# Altium PCB 10515.0501_主板(8拼版)_V1.0-20200907.PcbDoc (part 4 of 6)
Units mm, origin at the board's own origin, x right, y up, seen from the top; angles counter-clockwise.
Board outline 229.4 x 126.82 mm, 2 copper layers (Top Layer, Bottom Layer); 560 components, 0 nets, 2350 pads, 1248 vias.
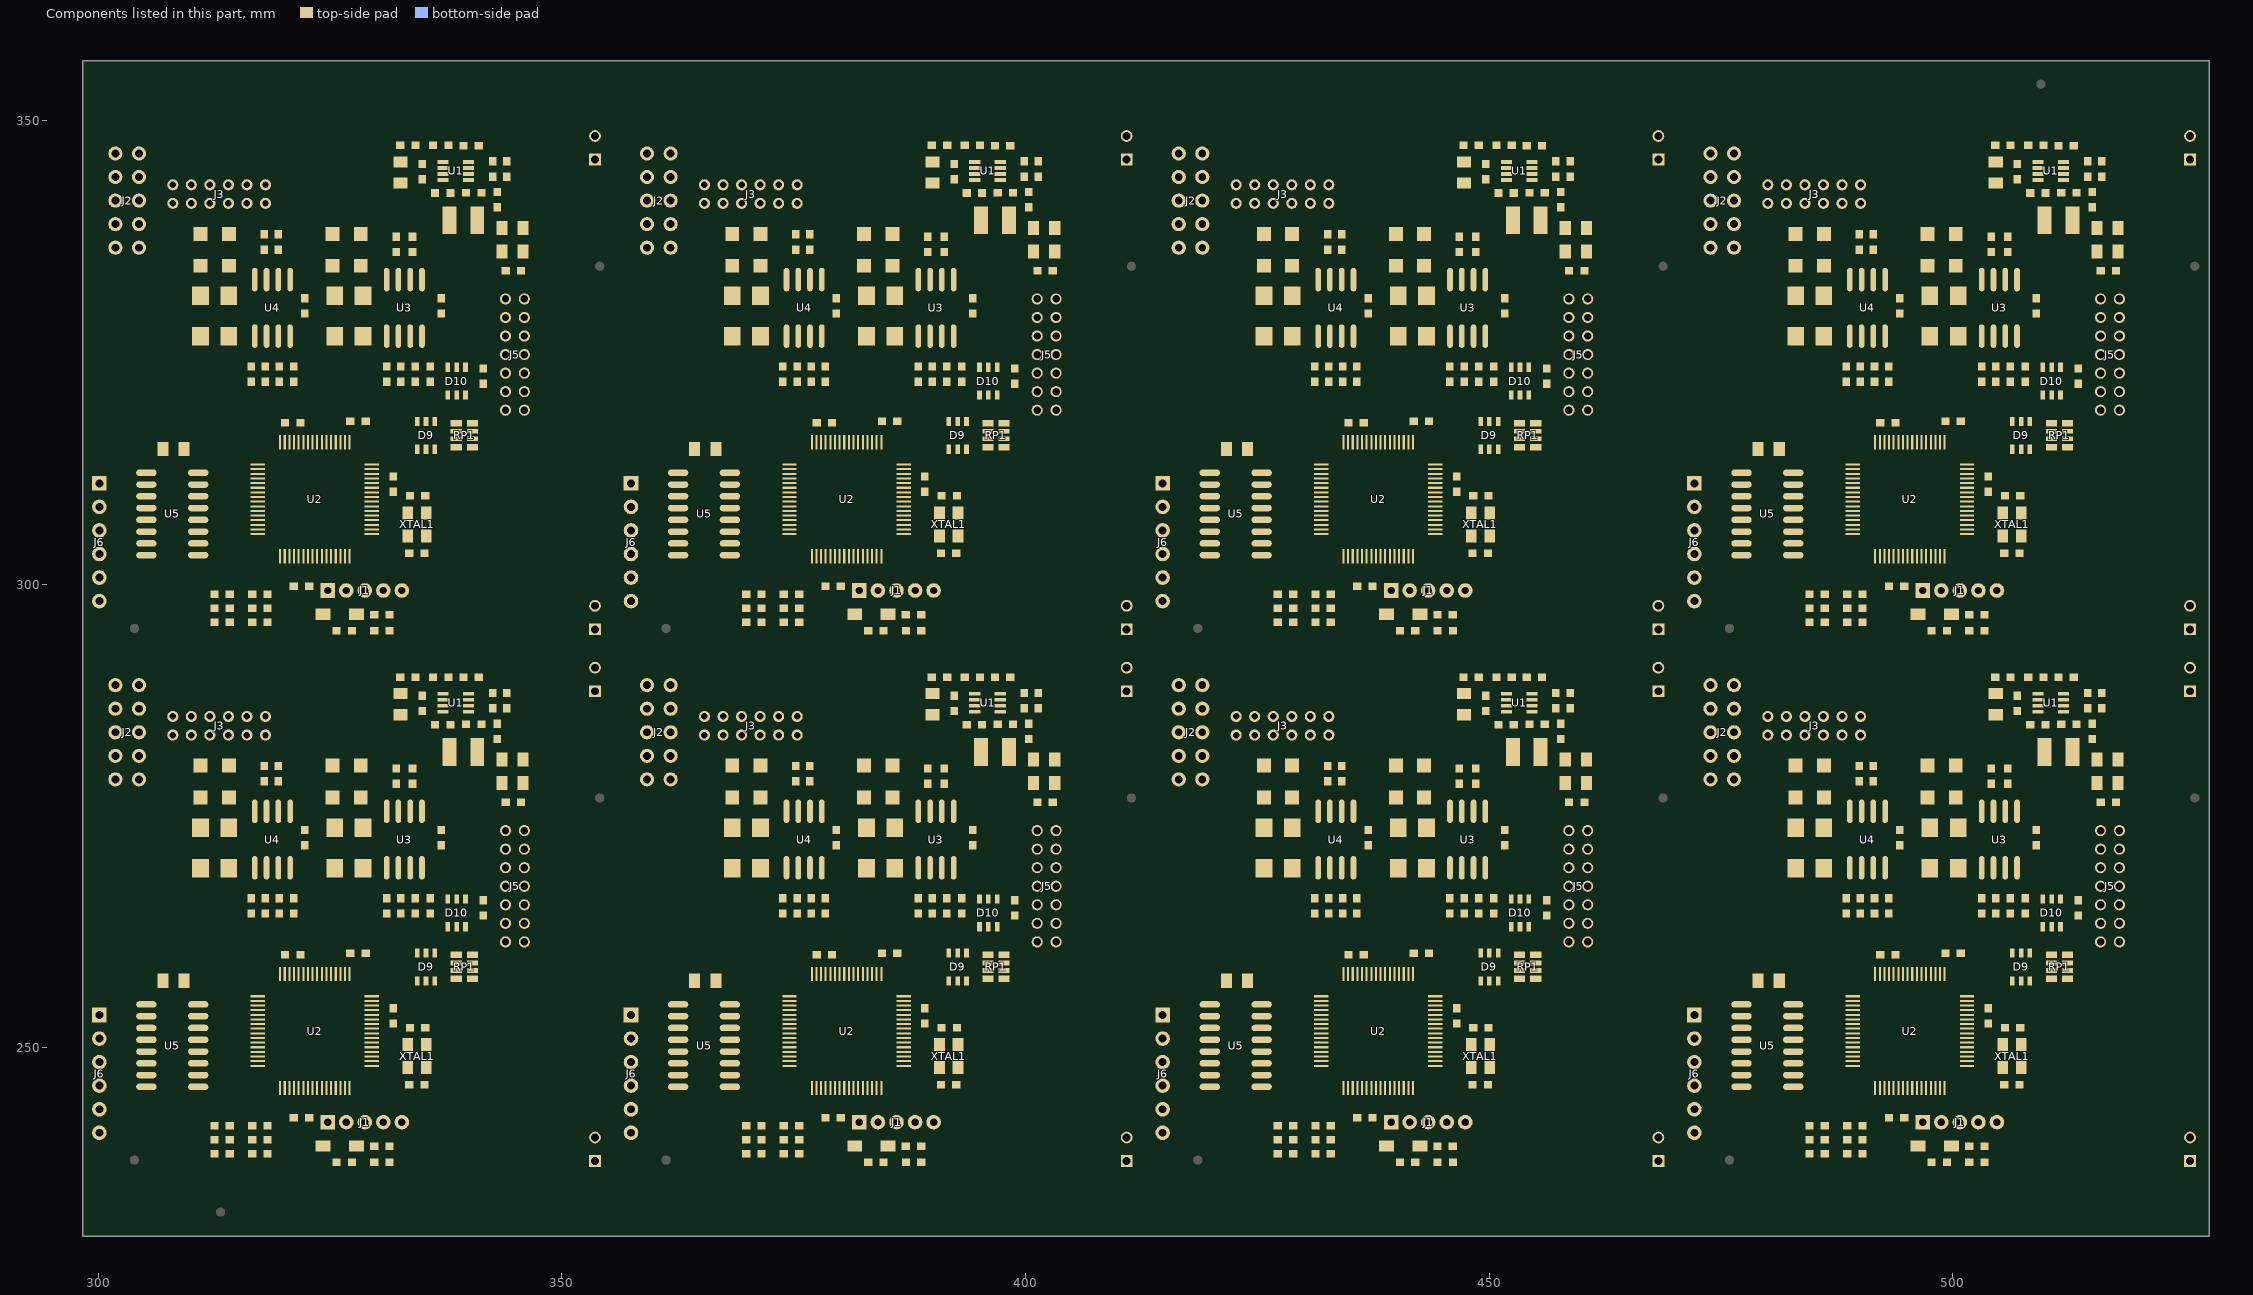
[diagram p4: the components of this part, seen from the top]

## Via types
v1: diameter 0.7, hole 0.4, Top Layer to Bottom Layer, tented both sides, 1248 vias

## Nets (pads, with @x,y where several pads share a name; then routed paths per layer and width w, separated by ;. In a path a pad name is that pad's centre, name@x,y a point inside that pad or via, vN(x,y) a via of type N, cw(c..) or ccw(c..) an arc to the next point about the centre after c; other vN are vias at no path point) (continued)
copper on no net: (continued)
  Top Layer w0.45: 300.101,243.38 301.371,244.65 301.371,245.147 302.017,245.793 305.181,245.793 ; 300.101,245.92 301.244,247.063 305.181,247.063 ; 300.101,251 301.498,249.603 305.181,249.603 ; 300.101,300.73 301.371,302 301.371,302.497 302.017,303.143 305.181,303.143 ; 300.101,303.27 301.244,304.413 305.181,304.413 ; 300.101,308.35 301.498,306.953 305.181,306.953 ; 300.228,248.333 305.181,248.333 ; 300.228,305.683 305.181,305.683 ; 301.833,278.959 301.833,275.557 304.165,273.225 304.165,257.731 302.133,255.699 302.133,251.635 302.895,250.873 305.181,250.873 ; 301.833,336.309 301.833,332.907 304.165,330.575 304.165,315.081 302.133,313.049 302.133,308.985 302.895,308.223 305.181,308.223 ; 304.373,278.959 304.373,274.541 305.181,273.733 305.181,257.223 303.149,255.191 303.149,252.651 303.657,252.143 305.181,252.143 ; 304.373,336.309 304.373,331.891 305.181,331.083 305.181,314.573 303.149,312.541 303.149,310.001 303.657,309.493 305.181,309.493 ; 305.181,254.683 306.705,254.683 306.969,254.947 306.969,257.233 ; 305.181,312.033 306.705,312.033 306.969,312.297 306.969,314.583 ; 309.255,257.233 309.255,254.927 309.499,254.683 310.769,254.683 ; 309.255,314.583 309.255,312.277 309.499,312.033 310.769,312.033 ; 311.023,269.39 v1(312.547,269.39) 314.071,269.39 ; 311.023,273.758 v1(311.023,275.745) 311.023,277.015 ; 311.023,280.444 311.023,280.741 314.026,283.744 ; 311.023,326.74 v1(312.547,326.74) 314.071,326.74 ; 311.023,331.108 v1(311.023,333.095) 311.023,334.365 ; 311.023,337.794 311.023,338.091 314.026,341.094 ; 314.026,285.744 314.026,287.15 314.833,287.957 327.025,287.957 328.295,286.687 328.295,280.444 ; 314.026,343.094 314.026,344.5 314.833,345.307 327.025,345.307 328.295,344.037 328.295,337.794 ; 314.071,273.758 v1(314.071,275.745) 314.071,277.015 ; 314.071,280.444 316.026,282.399 316.026,283.744 ; 314.071,331.108 v1(314.071,333.095) 314.071,334.365 ; 314.071,337.794 316.026,339.749 316.026,341.094 ; 316.026,285.744 316.026,286.607 316.611,287.192 324.234,287.192 325.247,286.179 325.247,280.444 ; 316.026,343.094 316.026,343.957 316.611,344.542 324.234,344.542 325.247,343.529 325.247,337.794 ; v1(316.484,263.209) 316.484,264.487 ; 316.484,266.138 315.849,266.773 315.849,271.193 316.103,271.447 317.881,271.447 318.139,271.189 318.139,269.422 319.409,269.422 ; v1(316.484,320.559) 316.484,321.837 ; 316.484,323.488 315.849,324.123 315.849,328.543 316.103,328.797 317.881,328.797 318.139,328.539 318.139,326.772 319.409,326.772 ; v1(316.674,278.75) 317.881,278.75 317.817,278.813 ; v1(316.674,336.1) 317.881,336.1 317.817,336.163 ; 316.869,269.422 316.869,267.637 317.25,267.256 v1(318.008,267.256) 318.008,266.138 ; 316.869,326.772 316.869,324.987 317.25,324.606 v1(318.008,324.606) 318.008,323.488 ; 317.881,280.401 v1(317.881,281.353) ; 317.881,337.751 v1(317.881,338.703) ; v1(318.008,263.446) 318.008,264.487 319.532,264.487 ; v1(318.008,320.796) 318.008,321.837 319.532,321.837 ; 318.139,275.518 318.139,278.491 ; 318.139,332.868 318.139,335.841 ; 319.405,278.75 319.409,278.745 v1(319.409,277.797) 319.409,275.518 ; 319.405,280.401 319.405,281.684 318.897,282.192 316.942,282.192 315.849,281.099 315.849,277.48 316.869,276.46 316.869,272.967 317.729,272.107 321.995,272.107 322.249,271.853 ; 319.405,336.1 319.409,336.095 v1(319.409,335.147) 319.409,332.868 ; 319.405,337.751 319.405,339.034 318.897,339.542 316.942,339.542 315.849,338.449 315.849,334.83 316.869,333.81 316.869,330.317 317.729,329.457 321.995,329.457 322.249,329.203 ; 319.532,266.138 321.056,266.138 ; 319.532,323.488 321.056,323.488 ; 320.142,260.067 v1(320.142,261.262) ; 320.142,317.417 v1(320.142,318.612) ; 320.679,266.151 320.679,269.422 ; v1@320.679,277.539 320.679,275.518 320.679,273.99 v1(320.91,273.758) 321.995,273.758 322.249,273.504 ; 320.679,323.501 320.679,326.772 ; v1@320.679,334.889 320.679,332.868 320.679,331.34 v1(320.91,331.108) 321.995,331.108 322.249,330.854 ; 321.793,260.067 v1(321.793,261.185) ; 321.793,317.417 v1(321.793,318.535) ; 324.239,239.427 324.239,238.165 324.739,237.665 325.691,237.665 ; 324.239,296.777 324.239,295.515 324.739,295.015 325.691,295.015 ; 324.739,239.927 324.739,240.078 ; 324.739,297.277 324.739,297.428 ; 325.247,269.39 325.501,269.39 328.549,269.39 ; 325.247,273.758 v1(325.247,275.745) 325.247,277.015 ; 325.247,326.74 325.501,326.74 328.549,326.74 ; 325.247,331.108 v1(325.247,333.095) 325.247,334.365 ; 327.342,237.665 327.839,238.162 327.839,239.427 329.697,239.427 ; 327.342,295.015 327.839,295.512 327.839,296.777 329.697,296.777 ; 328.549,273.758 328.549,276.761 328.295,277.015 329.775,278.496 332.105,278.496 332.363,278.237 332.363,275.518 ; 328.549,331.108 328.549,334.111 328.295,334.365 329.775,335.846 332.105,335.846 332.363,335.587 332.363,332.868 ; 328.792,241.983 331.398,239.377 ; 328.792,299.333 331.398,296.727 ; 329.747,237.673 329.747,239.377 ; 329.747,295.023 329.747,296.727 ; 330.739,241.983 332.867,239.855 332.867,237.919 332.613,237.665 331.406,237.665 ; 330.739,299.333 332.867,297.205 332.867,295.269 332.613,295.015 331.406,295.015 ; 331.089,266.138 331.089,266.875 330.073,267.891 330.073,271.323 330.451,271.701 331.851,271.701 332.363,271.189 332.363,269.422 333.633,269.422 ; 331.089,323.488 331.089,324.225 330.073,325.241 330.073,328.673 330.451,329.051 331.851,329.051 332.363,328.539 332.363,326.772 333.633,326.772 ; 331.093,268.141 v1(332.16,267.074) 332.613,266.621 332.613,266.138 ; 331.093,275.518 331.093,273.729 332.969,271.853 336.981,271.853 ; 331.093,325.491 v1(332.16,324.424) 332.613,323.971 332.613,323.488 ; 331.093,332.868 331.093,331.079 332.969,329.203 336.981,329.203 ; 332.105,280.147 332.105,281.353 332.74,281.988 334.264,281.988 334.903,281.349 334.903,275.518 334.903,274.241 335.64,273.504 336.981,273.504 ; 332.105,337.497 332.105,338.703 332.74,339.338 334.264,339.338 334.903,338.699 334.903,332.868 334.903,331.591 335.64,330.854 336.981,330.854 ; 332.549,288.275 332.549,289.989 ; 332.549,345.625 332.549,347.339 ; 332.613,264.487 334.179,264.487 ; 332.613,321.837 334.179,321.837 ; 332.842,287.982 334.949,287.982 ; 332.842,345.332 334.949,345.332 ; 332.999,286.331 334.949,286.331 ; 332.999,343.681 334.949,343.681 ; 333.375,245.997 333.375,247.865 ; 333.375,250.365 333.375,251.964 ; 333.375,303.347 333.375,305.215 ; 333.375,307.715 333.375,309.314 ; 333.527,245.997 333.527,245.133 334.137,244.523 336.677,244.523 337.185,245.031 337.185,249.857 336.677,250.365 335.375,250.365 335.375,252.073 ; 333.527,303.347 333.527,302.483 334.137,301.873 336.677,301.873 337.185,302.381 337.185,307.207 336.677,307.715 335.375,307.715 335.375,309.423 ; 333.633,275.518 v1(333.633,277.543) 333.633,278.246 333.883,278.496 ; 333.633,332.868 v1(333.633,334.893) 333.633,335.596 333.883,335.846 ; 333.883,280.147 v1(333.883,281.099) ; 333.883,337.497 v1(333.883,338.449) ; 334.179,266.138 334.899,266.138 ; 334.179,323.488 334.899,323.488 ; v1(334.2,289.291) 334.2,289.989 ; v1(334.2,346.641) 334.2,347.339 ; 334.903,269.422 334.903,266.143 334.899,266.138 ; 334.903,326.772 334.903,323.493 334.899,323.488 ; 335.375,246.194 335.375,247.865 ; 335.375,303.544 335.375,305.215 ; 335.788,266.138 334.899,266.138 ; 335.788,323.488 334.899,323.488 ; 336.321,284.859 336.321,283.385 336.321,282.725 337.134,281.912 337.868,281.912 ; 336.321,342.209 336.321,340.735 336.321,340.075 337.134,339.262 337.868,339.262 ; 337.756,289.989 338.709,289.989 ; 337.756,347.339 338.709,347.339 ; 337.972,284.859 339.612,284.859 ; 337.972,342.209 339.612,342.209 ; 339.343,289.989 338.709,289.989 ; 339.343,347.339 338.709,347.339 ; 340.868,281.912 342.702,281.912 342.89,281.724 ; 340.868,339.262 342.702,339.262 342.89,339.074 ; 341.056,281.724 341.757,281.724 ; 341.056,339.074 341.757,339.074 ; 341.691,281.089 341.757,281.155 341.757,281.724 ; 341.691,338.439 341.757,338.505 341.757,339.074 ; 342.519,286.624 343.027,286.624 ; 342.519,343.974 343.027,343.974 ; 343.027,281.597 343.027,283.322 343.027,281.587 ; 343.027,284.973 343.027,286.624 ; 343.027,338.947 343.027,340.672 343.027,338.937 ; 343.027,342.323 343.027,343.974 ; 343.941,276.477 343.525,276.893 343.525,278.549 343.525,281.089 343.027,281.587 ; 343.941,333.827 343.525,334.243 343.525,335.899 343.525,338.439 343.027,338.937 ; 344.043,286.624 343.027,286.624 ; 344.043,343.974 343.027,343.974 ; 345.592,276.477 345.592,278.33 345.811,278.549 345.811,281.089 345.811,287.967 345.503,288.275 344.043,288.275 344.043,290.751 343.789,291.005 339.217,291.005 338.709,290.497 338.709,289.989 ; 345.592,333.827 345.592,335.68 345.811,335.899 345.811,338.439 345.811,345.317 345.503,345.625 344.043,345.625 344.043,348.101 343.789,348.355 339.217,348.355 338.709,347.847 338.709,347.339 ; 357.451,243.38 358.721,244.65 358.721,245.147 359.367,245.793 362.531,245.793 ; 357.451,245.92 358.594,247.063 362.531,247.063 ; 357.451,251 358.848,249.603 362.531,249.603 ; 357.451,300.73 358.721,302 358.721,302.497 359.367,303.143 362.531,303.143 ; 357.451,303.27 358.594,304.413 362.531,304.413 ; 357.451,308.35 358.848,306.953 362.531,306.953 ; 357.578,248.333 362.531,248.333 ; 357.578,305.683 362.531,305.683 ; 359.183,278.959 359.183,275.557 361.515,273.225 361.515,257.731 359.483,255.699 359.483,251.635 360.245,250.873 362.531,250.873 ; 359.183,336.309 359.183,332.907 361.515,330.575 361.515,315.081 359.483,313.049 359.483,308.985 360.245,308.223 362.531,308.223 ; 361.723,278.959 361.723,274.541 362.531,273.733 362.531,257.223 360.499,255.191 360.499,252.651 361.007,252.143 362.531,252.143 ; 361.723,336.309 361.723,331.891 362.531,331.083 362.531,314.573 360.499,312.541 360.499,310.001 361.007,309.493 362.531,309.493 ; 362.531,254.683 364.055,254.683 364.319,254.947 364.319,257.233 ; 362.531,312.033 364.055,312.033 364.319,312.297 364.319,314.583 ; 366.605,257.233 366.605,254.927 366.849,254.683 368.119,254.683 ; 366.605,314.583 366.605,312.277 366.849,312.033 368.119,312.033 ; 368.373,269.39 v1(369.897,269.39) 371.421,269.39 ; 368.373,273.758 v1(368.373,275.745) 368.373,277.015 ; 368.373,280.444 368.373,280.741 371.376,283.744 ; 368.373,326.74 v1(369.897,326.74) 371.421,326.74 ; 368.373,331.108 v1(368.373,333.095) 368.373,334.365 ; 368.373,337.794 368.373,338.091 371.376,341.094 ; 371.376,285.744 371.376,287.15 372.183,287.957 384.375,287.957 385.645,286.687 385.645,280.444 ; 371.376,343.094 371.376,344.5 372.183,345.307 384.375,345.307 385.645,344.037 385.645,337.794 ; 371.421,273.758 v1(371.421,275.745) 371.421,277.015 ; 371.421,280.444 373.376,282.399 373.376,283.744 ; 371.421,331.108 v1(371.421,333.095) 371.421,334.365 ; 371.421,337.794 373.376,339.749 373.376,341.094 ; 373.376,285.744 373.376,286.607 373.961,287.192 381.584,287.192 382.597,286.179 382.597,280.444 ; 373.376,343.094 373.376,343.957 373.961,344.542 381.584,344.542 382.597,343.529 382.597,337.794 ; v1(373.834,263.209) 373.834,264.487 ; 373.834,266.138 373.199,266.773 373.199,271.193 373.453,271.447 375.231,271.447 375.489,271.189 375.489,269.422 376.759,269.422 ; v1(373.834,320.559) 373.834,321.837 ; 373.834,323.488 373.199,324.123 373.199,328.543 373.453,328.797 375.231,328.797 375.489,328.539 375.489,326.772 376.759,326.772 ; v1(374.024,278.75) 375.231,278.75 375.167,278.813 ; v1(374.024,336.1) 375.231,336.1 375.167,336.163 ; 374.219,269.422 374.219,267.637 374.6,267.256 v1(375.358,267.256) 375.358,266.138 ; 374.219,326.772 374.219,324.987 374.6,324.606 v1(375.358,324.606) 375.358,323.488 ; 375.231,280.401 v1(375.231,281.353) ; 375.231,337.751 v1(375.231,338.703) ; v1(375.358,263.446) 375.358,264.487 376.882,264.487 ; v1(375.358,320.796) 375.358,321.837 376.882,321.837 ; 375.489,275.518 375.489,278.491 ; 375.489,332.868 375.489,335.841 ; 376.755,278.75 376.759,278.745 v1(376.759,277.797) 376.759,275.518 ; 376.755,280.401 376.755,281.684 376.247,282.192 374.292,282.192 373.199,281.099 373.199,277.48 374.219,276.46 374.219,272.967 375.079,272.107 379.345,272.107 379.599,271.853 ; 376.755,336.1 376.759,336.095 v1(376.759,335.147) 376.759,332.868 ; 376.755,337.751 376.755,339.034 376.247,339.542 374.292,339.542 373.199,338.449 373.199,334.83 374.219,333.81 374.219,330.317 375.079,329.457 379.345,329.457 379.599,329.203 ; 376.882,266.138 378.406,266.138 ; 376.882,323.488 378.406,323.488 ; 377.492,260.067 v1(377.492,261.262) ; 377.492,317.417 v1(377.492,318.612) ; 378.029,266.151 378.029,269.422 ; v1@378.029,277.539 378.029,275.518 378.029,273.99 v1(378.26,273.758) 379.345,273.758 379.599,273.504 ; 378.029,323.501 378.029,326.772 ; v1@378.029,334.889 378.029,332.868 378.029,331.34 v1(378.26,331.108) 379.345,331.108 379.599,330.854 ; 379.143,260.067 v1(379.143,261.185) ; 379.143,317.417 v1(379.143,318.535) ; 381.589,239.427 381.589,238.165 382.089,237.665 383.041,237.665 ; 381.589,296.777 381.589,295.515 382.089,295.015 383.041,295.015 ; 382.089,239.927 382.089,240.078 ; 382.089,297.277 382.089,297.428 ; 382.597,269.39 382.851,269.39 385.899,269.39 ; 382.597,273.758 v1(382.597,275.745) 382.597,277.015 ; 382.597,326.74 382.851,326.74 385.899,326.74 ; 382.597,331.108 v1(382.597,333.095) 382.597,334.365 ; 384.692,237.665 385.189,238.162 385.189,239.427 387.047,239.427 ; 384.692,295.015 385.189,295.512 385.189,296.777 387.047,296.777 ; 385.899,273.758 385.899,276.761 385.645,277.015 387.125,278.496 389.455,278.496 389.713,278.237 389.713,275.518 ; 385.899,331.108 385.899,334.111 385.645,334.365 387.125,335.846 389.455,335.846 389.713,335.587 389.713,332.868 ; 386.142,241.983 388.748,239.377 ; 386.142,299.333 388.748,296.727 ; 387.097,237.673 387.097,239.377 ; 387.097,295.023 387.097,296.727 ; 388.089,241.983 390.217,239.855 390.217,237.919 389.963,237.665 388.756,237.665 ; 388.089,299.333 390.217,297.205 390.217,295.269 389.963,295.015 388.756,295.015 ; 388.439,266.138 388.439,266.875 387.423,267.891 387.423,271.323 387.801,271.701 389.201,271.701 389.713,271.189 389.713,269.422 390.983,269.422 ; 388.439,323.488 388.439,324.225 387.423,325.241 387.423,328.673 387.801,329.051 389.201,329.051 389.713,328.539 389.713,326.772 390.983,326.772 ; 388.443,268.141 v1(389.51,267.074) 389.963,266.621 389.963,266.138 ; 388.443,275.518 388.443,273.729 390.319,271.853 394.331,271.853 ; 388.443,325.491 v1(389.51,324.424) 389.963,323.971 389.963,323.488 ; 388.443,332.868 388.443,331.079 390.319,329.203 394.331,329.203 ; 389.455,280.147 389.455,281.353 390.09,281.988 391.614,281.988 392.253,281.349 392.253,275.518 392.253,274.241 392.99,273.504 394.331,273.504 ; 389.455,337.497 389.455,338.703 390.09,339.338 391.614,339.338 392.253,338.699 392.253,332.868 392.253,331.591 392.99,330.854 394.331,330.854 ; 389.899,288.275 389.899,289.989 ; 389.899,345.625 389.899,347.339 ; 389.963,264.487 391.529,264.487 ; 389.963,321.837 391.529,321.837 ; 390.192,287.982 392.299,287.982 ; 390.192,345.332 392.299,345.332 ; 390.349,286.331 392.299,286.331 ; 390.349,343.681 392.299,343.681 ; 390.725,245.997 390.725,247.865 ; 390.725,250.365 390.725,251.964 ; 390.725,303.347 390.725,305.215 ; 390.725,307.715 390.725,309.314 ; 390.877,245.997 390.877,245.133 391.487,244.523 394.027,244.523 394.535,245.031 394.535,249.857 394.027,250.365 392.725,250.365 392.725,252.073 ; 390.877,303.347 390.877,302.483 391.487,301.873 394.027,301.873 394.535,302.381 394.535,307.207 394.027,307.715 392.725,307.715 392.725,309.423 ; 390.983,275.518 v1(390.983,277.543) 390.983,278.246 391.233,278.496 ; 390.983,332.868 v1(390.983,334.893) 390.983,335.596 391.233,335.846 ; 391.233,280.147 v1(391.233,281.099) ; 391.233,337.497 v1(391.233,338.449) ; 391.529,266.138 392.249,266.138 ; 391.529,323.488 392.249,323.488 ; v1(391.55,289.291) 391.55,289.989 ; v1(391.55,346.641) 391.55,347.339 ; 392.253,269.422 392.253,266.143 392.249,266.138 ; 392.253,326.772 392.253,323.493 392.249,323.488 ; 392.725,246.194 392.725,247.865 ; 392.725,303.544 392.725,305.215 ; 393.138,266.138 392.249,266.138 ; 393.138,323.488 392.249,323.488 ; 393.671,284.859 393.671,283.385 393.671,282.725 394.484,281.912 395.218,281.912 ; 393.671,342.209 393.671,340.735 393.671,340.075 394.484,339.262 395.218,339.262 ; 395.106,289.989 396.059,289.989 ; 395.106,347.339 396.059,347.339 ; 395.322,284.859 396.961,284.859 ; 395.322,342.209 396.961,342.209 ; 396.693,289.989 396.059,289.989 ; 396.693,347.339 396.059,347.339 ; 398.218,281.912 400.052,281.912 400.24,281.724 ; 398.218,339.262 400.052,339.262 400.24,339.074 ; 398.406,281.724 399.107,281.724 ; 398.406,339.074 399.107,339.074 ; 399.041,281.089 399.107,281.155 399.107,281.724 ; 399.041,338.439 399.107,338.505 399.107,339.074 ; 399.869,286.624 400.377,286.624 ; 399.869,343.974 400.377,343.974 ; 400.377,281.597 400.377,283.322 400.377,281.587 ; 400.377,284.973 400.377,286.624 ; 400.377,338.947 400.377,340.672 400.377,338.937 ; 400.377,342.323 400.377,343.974 ; 401.291,276.477 400.875,276.893 400.875,278.549 400.875,281.089 400.377,281.587 ; 401.291,333.827 400.875,334.243 400.875,335.899 400.875,338.439 400.377,338.937 ; 401.393,286.624 400.377,286.624 ; 401.393,343.974 400.377,343.974 ; 402.942,276.477 402.942,278.33 403.161,278.549 403.161,281.089 403.161,287.967 402.853,288.275 401.393,288.275 401.393,290.751 401.139,291.005 396.567,291.005 396.059,290.497 396.059,289.989 ; 402.942,333.827 402.942,335.68 403.161,335.899 403.161,338.439 403.161,345.317 402.853,345.625 401.393,345.625 401.393,348.101 401.139,348.355 396.567,348.355 396.059,347.847 396.059,347.339 ; 414.801,243.38 416.071,244.65 416.071,245.147 416.717,245.793 419.881,245.793 ; 414.801,245.92 415.944,247.063 419.881,247.063 ; 414.801,251 416.198,249.603 419.881,249.603 ; 414.801,300.73 416.071,302 416.071,302.497 416.717,303.143 419.881,303.143 ; 414.801,303.27 415.944,304.413 419.881,304.413 ; 414.801,308.35 416.198,306.953 419.881,306.953 ; 414.928,248.333 419.881,248.333 ; 414.928,305.683 419.881,305.683 ; 416.533,278.959 416.533,275.557 418.865,273.225 418.865,257.731 416.833,255.699 416.833,251.635 417.595,250.873 419.881,250.873 ; 416.533,336.309 416.533,332.907 418.865,330.575 418.865,315.081 416.833,313.049 416.833,308.985 417.595,308.223 419.881,308.223 ; 419.073,278.959 419.073,274.541 419.881,273.733 419.881,257.223 417.849,255.191 417.849,252.651 418.357,252.143 419.881,252.143 ; 419.073,336.309 419.073,331.891 419.881,331.083 419.881,314.573 417.849,312.541 417.849,310.001 418.357,309.493 419.881,309.493 ; 419.881,254.683 421.405,254.683 421.669,254.947 421.669,257.233 ; 419.881,312.033 421.405,312.033 421.669,312.297 421.669,314.583 ; 423.955,257.233 423.955,254.927 424.199,254.683 425.469,254.683 ; 423.955,314.583 423.955,312.277 424.199,312.033 425.469,312.033 ; 425.723,269.39 v1(427.247,269.39) 428.771,269.39 ; 425.723,273.758 v1(425.723,275.745) 425.723,277.015 ; 425.723,280.444 425.723,280.741 428.726,283.744 ; 425.723,326.74 v1(427.247,326.74) 428.771,326.74 ; 425.723,331.108 v1(425.723,333.095) 425.723,334.365 ; 425.723,337.794 425.723,338.091 428.726,341.094 ; 428.726,285.744 428.726,287.15 429.533,287.957 441.725,287.957 442.995,286.687 442.995,280.444 ; 428.726,343.094 428.726,344.5 429.533,345.307 441.725,345.307 442.995,344.037 442.995,337.794 ; 428.771,273.758 v1(428.771,275.745) 428.771,277.015 ; 428.771,280.444 430.726,282.399 430.726,283.744 ; 428.771,331.108 v1(428.771,333.095) 428.771,334.365 ; 428.771,337.794 430.726,339.749 430.726,341.094 ; 430.726,285.744 430.726,286.607 431.311,287.192 438.934,287.192 439.947,286.179 439.947,280.444 ; 430.726,343.094 430.726,343.957 431.311,344.542 438.934,344.542 439.947,343.529 439.947,337.794 ; v1(431.184,263.209) 431.184,264.487 ; 431.184,266.138 430.549,266.773 430.549,271.193 430.803,271.447 432.581,271.447 432.839,271.189 432.839,269.422 434.109,269.422 ; v1(431.184,320.559) 431.184,321.837 ; 431.184,323.488 430.549,324.123 430.549,328.543 430.803,328.797 432.581,328.797 432.839,328.539 432.839,326.772 434.109,326.772 ; v1(431.374,278.75) 432.581,278.75 432.517,278.813 ; v1(431.374,336.1) 432.581,336.1 432.517,336.163 ; 431.569,269.422 431.569,267.637 431.95,267.256 v1(432.708,267.256) 432.708,266.138 ; 431.569,326.772 431.569,324.987 431.95,324.606 v1(432.708,324.606) 432.708,323.488 ; 432.581,280.401 v1(432.581,281.353) ; 432.581,337.751 v1(432.581,338.703) ; v1(432.708,263.446) 432.708,264.487 434.232,264.487 ; v1(432.708,320.796) 432.708,321.837 434.232,321.837 ; 432.839,275.518 432.839,278.491 ; 432.839,332.868 432.839,335.841 ; 434.105,278.75 434.109,278.745 v1(434.109,277.797) 434.109,275.518 ; 434.105,280.401 434.105,281.684 433.597,282.192 431.642,282.192 430.549,281.099 430.549,277.48 431.569,276.46 431.569,272.967 432.429,272.107 436.695,272.107 436.949,271.853 ; 434.105,336.1 434.109,336.095 v1(434.109,335.147) 434.109,332.868 ; 434.105,337.751 434.105,339.034 433.597,339.542 431.642,339.542 430.549,338.449 430.549,334.83 431.569,333.81 431.569,330.317 432.429,329.457 436.695,329.457 436.949,329.203 ; 434.232,266.138 435.756,266.138 ; 434.232,323.488 435.756,323.488 ; 434.842,260.067 v1(434.842,261.262) ; 434.842,317.417 v1(434.842,318.612) ; 435.379,266.151 435.379,269.422 ; v1@435.379,277.539 435.379,275.518 435.379,273.99 v1(435.61,273.758) 436.695,273.758 436.949,273.504 ; 435.379,323.501 435.379,326.772 ; v1@435.379,334.889 435.379,332.868 435.379,331.34 v1(435.61,331.108) 436.695,331.108 436.949,330.854 ; 436.493,260.067 v1(436.493,261.185) ; 436.493,317.417 v1(436.493,318.535) ; 438.939,239.427 438.939,238.165 439.439,237.665 440.391,237.665 ; 438.939,296.777 438.939,295.515 439.439,295.015 440.391,295.015 ; 439.439,239.927 439.439,240.078 ; 439.439,297.277 439.439,297.428 ; 439.947,269.39 440.201,269.39 443.249,269.39 ; 439.947,273.758 v1(439.947,275.745) 439.947,277.015 ; 439.947,326.74 440.201,326.74 443.249,326.74 ; 439.947,331.108 v1(439.947,333.095) 439.947,334.365 ; 442.042,237.665 442.539,238.162 442.539,239.427 444.397,239.427 ; 442.042,295.015 442.539,295.512 442.539,296.777 444.397,296.777 ; 443.249,273.758 443.249,276.761 442.995,277.015 444.475,278.496 446.805,278.496 447.063,278.237 447.063,275.518 ; 443.249,331.108 443.249,334.111 442.995,334.365 444.475,335.846 446.805,335.846 447.063,335.587 447.063,332.868 ; 443.492,241.983 446.098,239.377 ; 443.492,299.333 446.098,296.727 ; 444.447,237.673 444.447,239.377 ; 444.447,295.023 444.447,296.727 ; 445.439,241.983 447.567,239.855 447.567,237.919 447.313,237.665 446.106,237.665 ; 445.439,299.333 447.567,297.205 447.567,295.269 447.313,295.015 446.106,295.015 ; 445.789,266.138 445.789,266.875 444.773,267.891 444.773,271.323 445.151,271.701 446.551,271.701 447.063,271.189 447.063,269.422 448.333,269.422 ; 445.789,323.488 445.789,324.225 444.773,325.241 444.773,328.673 445.151,329.051 446.551,329.051 447.063,328.539 447.063,326.772 448.333,326.772 ; 445.793,268.141 v1(446.86,267.074) 447.313,266.621 447.313,266.138 ; 445.793,275.518 445.793,273.729 447.669,271.853 451.681,271.853 ; 445.793,325.491 v1(446.86,324.424) 447.313,323.971 447.313,323.488 ; 445.793,332.868 445.793,331.079 447.669,329.203 451.681,329.203 ; 446.805,280.147 446.805,281.353 447.44,281.988 448.964,281.988 449.603,281.349 449.603,275.518 449.603,274.241 450.34,273.504 451.681,273.504 ; 446.805,337.497 446.805,338.703 447.44,339.338 448.964,339.338 449.603,338.699 449.603,332.868 449.603,331.591 450.34,330.854 451.681,330.854 ; 447.249,288.275 447.249,289.989 ; 447.249,345.625 447.249,347.339 ; 447.313,264.487 448.879,264.487 ; 447.313,321.837 448.879,321.837 ; 447.542,287.982 449.649,287.982 ; 447.542,345.332 449.649,345.332 ; 447.699,286.331 449.649,286.331 ; 447.699,343.681 449.649,343.681 ; 448.075,245.997 448.075,247.865 ; 448.075,250.365 448.075,251.964 ; 448.075,303.347 448.075,305.215 ; 448.075,307.715 448.075,309.314 ; 448.227,245.997 448.227,245.133 448.837,244.523 451.377,244.523 451.885,245.031 451.885,249.857 451.377,250.365 450.075,250.365 450.075,252.073 ; 448.227,303.347 448.227,302.483 448.837,301.873 451.377,301.873 451.885,302.381 451.885,307.207 451.377,307.715 450.075,307.715 450.075,309.423 ; 448.333,275.518 v1(448.333,277.543) 448.333,278.246 448.583,278.496 ; 448.333,332.868 v1(448.333,334.893) 448.333,335.596 448.583,335.846 ; 448.583,280.147 v1(448.583,281.099) ; 448.583,337.497 v1(448.583,338.449) ; 448.879,266.138 449.599,266.138 ; 448.879,323.488 449.599,323.488 ; v1(448.9,289.291) 448.9,289.989 ; v1(448.9,346.641) 448.9,347.339 ; 449.603,269.422 449.603,266.143 449.599,266.138 ; 449.603,326.772 449.603,323.493 449.599,323.488 ; 450.075,246.194 450.075,247.865 ; 450.075,303.544 450.075,305.215 ; 450.488,266.138 449.599,266.138 ; 450.488,323.488 449.599,323.488 ; 451.021,284.859 451.021,283.385 451.021,282.725 451.834,281.912 452.568,281.912 ; 451.021,342.209 451.021,340.735 451.021,340.075 451.834,339.262 452.568,339.262 ; 452.456,289.989 453.409,289.989 ; 452.456,347.339 453.409,347.339 ; 452.672,284.859 454.311,284.859 ; 452.672,342.209 454.311,342.209 ; 454.043,289.989 453.409,289.989 ; 454.043,347.339 453.409,347.339 ; 455.568,281.912 457.402,281.912 457.59,281.724 ; 455.568,339.262 457.402,339.262 457.59,339.074 ; 455.756,281.724 456.457,281.724 ; 455.756,339.074 456.457,339.074 ; 456.391,281.089 456.457,281.155 456.457,281.724 ; 456.391,338.439 456.457,338.505 456.457,339.074 ; 457.219,286.624 457.727,286.624 ; 457.219,343.974 457.727,343.974 ; 457.727,281.597 457.727,283.322 457.727,281.587 ; 457.727,284.973 457.727,286.624 ; 457.727,338.947 457.727,340.672 457.727,338.937 ; 457.727,342.323 457.727,343.974 ; 458.641,276.477 458.225,276.893 458.225,278.549 458.225,281.089 457.727,281.587 ; 458.641,333.827 458.225,334.243 458.225,335.899 458.225,338.439 457.727,338.937 ; 458.743,286.624 457.727,286.624 ; 458.743,343.974 457.727,343.974 ; 460.292,276.477 460.292,278.33 460.511,278.549 460.511,281.089 460.511,287.967 460.203,288.275 458.743,288.275 458.743,290.751 458.489,291.005 453.917,291.005 453.409,290.497 453.409,289.989 ; 460.292,333.827 460.292,335.68 460.511,335.899 460.511,338.439 460.511,345.317 460.203,345.625 458.743,345.625 458.743,348.101 458.489,348.355 453.917,348.355 453.409,347.847 453.409,347.339 ; 472.151,243.38 473.421,244.65 473.421,245.147 474.067,245.793 477.231,245.793 ; 472.151,245.92 473.294,247.063 477.231,247.063 ; 472.151,251 473.548,249.603 477.231,249.603 ; 472.151,300.73 473.421,302 473.421,302.497 474.067,303.143 477.231,303.143 ; 472.151,303.27 473.294,304.413 477.231,304.413 ; 472.151,308.35 473.548,306.953 477.231,306.953 ; 472.278,248.333 477.231,248.333 ; 472.278,305.683 477.231,305.683 ; 473.883,278.959 473.883,275.557 476.215,273.225 476.215,257.731 474.183,255.699 474.183,251.635 474.945,250.873 477.231,250.873 ; 473.883,336.309 473.883,332.907 476.215,330.575 476.215,315.081 474.183,313.049 474.183,308.985 474.945,308.223 477.231,308.223 ; 476.423,278.959 476.423,274.541 477.231,273.733 477.231,257.223 475.199,255.191 475.199,252.651 475.707,252.143 477.231,252.143 ; 476.423,336.309 476.423,331.891 477.231,331.083 477.231,314.573 475.199,312.541 475.199,310.001 475.707,309.493 477.231,309.493 ; 477.231,254.683 478.755,254.683 479.019,254.947 479.019,257.233 ; 477.231,312.033 478.755,312.033 479.019,312.297 479.019,314.583 ; 481.305,257.233 481.305,254.927 481.549,254.683 482.819,254.683 ; 481.305,314.583 481.305,312.277 481.549,312.033 482.819,312.033 ; 483.073,269.39 v1(484.597,269.39) 486.121,269.39 ; 483.073,273.758 v1(483.073,275.745) 483.073,277.015 ; 483.073,280.444 483.073,280.741 486.076,283.744 ; 483.073,326.74 v1(484.597,326.74) 486.121,326.74 ; 483.073,331.108 v1(483.073,333.095) 483.073,334.365 ; 483.073,337.794 483.073,338.091 486.076,341.094 ; 486.076,285.744 486.076,287.15 486.883,287.957 499.075,287.957 500.345,286.687 500.345,280.444 ; 486.076,343.094 486.076,344.5 486.883,345.307 499.075,345.307 500.345,344.037 500.345,337.794 ; 486.121,273.758 v1(486.121,275.745) 486.121,277.015 ; 486.121,280.444 488.076,282.399 488.076,283.744 ; 486.121,331.108 v1(486.121,333.095) 486.121,334.365 ; 486.121,337.794 488.076,339.749 488.076,341.094 ; 488.076,285.744 488.076,286.607 488.661,287.192 496.284,287.192 497.297,286.179 497.297,280.444 ; 488.076,343.094 488.076,343.957 488.661,344.542 496.284,344.542 497.297,343.529 497.297,337.794 ; v1(488.534,263.209) 488.534,264.487 ; 488.534,266.138 487.899,266.773 487.899,271.193 488.153,271.447 489.931,271.447 490.189,271.189 490.189,269.422 491.459,269.422 ; v1(488.534,320.559) 488.534,321.837 ; 488.534,323.488 487.899,324.123 487.899,328.543 488.153,328.797 489.931,328.797 490.189,328.539 490.189,326.772 491.459,326.772 ; v1(488.725,278.75) 489.931,278.75 489.868,278.813 ; v1(488.725,336.1) 489.931,336.1 489.868,336.163 ; 488.919,269.422 488.919,267.637 489.3,267.256 v1(490.058,267.256) 490.058,266.138 ; 488.919,326.772 488.919,324.987 489.3,324.606 v1(490.058,324.606) 490.058,323.488 ; 489.931,280.401 v1(489.931,281.353) ; 489.931,337.751 v1(489.931,338.703) ; v1(490.058,263.446) 490.058,264.487 491.582,264.487 ; v1(490.058,320.796) 490.058,321.837 491.582,321.837 ; 490.189,275.518 490.189,278.491 ; 490.189,332.868 490.189,335.841 ; 491.455,278.75 491.459,278.745 v1(491.459,277.797) 491.459,275.518 ; 491.455,280.401 491.455,281.684 490.947,282.192 488.992,282.192 487.899,281.099 487.899,277.48 488.919,276.46 488.919,272.967 489.779,272.107 494.045,272.107 494.299,271.853 ; 491.455,336.1 491.459,336.095 v1(491.459,335.147) 491.459,332.868 ; 491.455,337.751 491.455,339.034 490.947,339.542 488.992,339.542 487.899,338.449 487.899,334.83 488.919,333.81 488.919,330.317 489.779,329.457 494.045,329.457 494.299,329.203 ; 491.582,266.138 493.106,266.138 ; 491.582,323.488 493.106,323.488 ; 492.192,260.067 v1(492.192,261.262) ; 492.192,317.417 v1(492.192,318.612) ; 492.729,266.151 492.729,269.422 ; v1@492.729,277.539 492.729,275.518 492.729,273.99 v1(492.96,273.758) 494.045,273.758 494.299,273.504 ; 492.729,323.501 492.729,326.772 ; v1@492.729,334.889 492.729,332.868 492.729,331.34 v1(492.96,331.108) 494.045,331.108 494.299,330.854 ; 493.843,260.067 v1(493.843,261.185) ; 493.843,317.417 v1(493.843,318.535) ; 496.289,239.427 496.289,238.165 496.789,237.665 497.742,237.665 ; 496.289,296.777 496.289,295.515 496.789,295.015 497.742,295.015 ; 496.789,239.927 496.789,240.078 ; 496.789,297.277 496.789,297.428 ; 497.297,269.39 497.551,269.39 500.599,269.39 ; 497.297,273.758 v1(497.297,275.745) 497.297,277.015 ; 497.297,326.74 497.551,326.74 500.599,326.74 ; 497.297,331.108 v1(497.297,333.095) 497.297,334.365 ; 499.393,237.665 499.889,238.162 499.889,239.427 501.747,239.427 ; 499.393,295.015 499.889,295.512 499.889,296.777 501.747,296.777 ; 500.599,273.758 500.599,276.761 500.345,277.015 501.825,278.496 504.155,278.496 504.413,278.237 504.413,275.518 ; 500.599,331.108 500.599,334.111 500.345,334.365 501.825,335.846 504.155,335.846 504.413,335.587 504.413,332.868 ; 500.842,241.983 503.448,239.377 ; 500.842,299.333 503.448,296.727 ; 501.797,237.673 501.797,239.377 ; 501.797,295.023 501.797,296.727 ; 502.789,241.983 504.917,239.855 504.917,237.919 504.663,237.665 503.457,237.665 ; 502.789,299.333 504.917,297.205 504.917,295.269 504.663,295.015 503.457,295.015 ; 503.139,266.138 503.139,266.875 502.123,267.891 502.123,271.323 502.501,271.701 503.901,271.701 504.413,271.189 504.413,269.422 505.683,269.422 ; 503.139,323.488 503.139,324.225 502.123,325.241 502.123,328.673 502.501,329.051 503.901,329.051 504.413,328.539 504.413,326.772 505.683,326.772 ; 503.143,268.141 v1(504.21,267.074) 504.663,266.621 504.663,266.138 ; 503.143,275.518 503.143,273.729 505.019,271.853 509.031,271.853 ; 503.143,325.491 v1(504.21,324.424) 504.663,323.971 504.663,323.488 ; 503.143,332.868 503.143,331.079 505.019,329.203 509.031,329.203 ; 504.155,280.147 504.155,281.353 504.79,281.988 506.314,281.988 506.953,281.349 506.953,275.518 506.953,274.241 507.69,273.504 509.031,273.504 ; 504.155,337.497 504.155,338.703 504.79,339.338 506.314,339.338 506.953,338.699 506.953,332.868 506.953,331.591 507.69,330.854 509.031,330.854 ; 504.6,288.275 504.6,289.989 ; 504.6,345.625 504.6,347.339 ; 504.663,264.487 506.229,264.487 ; 504.663,321.837 506.229,321.837 ; 504.892,287.982 506.999,287.982 ; 504.892,345.332 506.999,345.332 ; 505.049,286.331 506.999,286.331 ; 505.049,343.681 506.999,343.681 ; 505.425,245.997 505.425,247.865 ; 505.425,250.365 505.425,251.964 ; 505.425,303.347 505.425,305.215 ; 505.425,307.715 505.425,309.314 ; 505.577,245.997 505.577,245.133 506.187,244.523 508.727,244.523 509.235,245.031 509.235,249.857 508.727,250.365 507.425,250.365 507.425,252.073 ; 505.577,303.347 505.577,302.483 506.187,301.873 508.727,301.873 509.235,302.381 509.235,307.207 508.727,307.715 507.425,307.715 507.425,309.423 ; 505.683,275.518 v1(505.683,277.543) 505.683,278.246 505.933,278.496 ; 505.683,332.868 v1(505.683,334.893) 505.683,335.596 505.933,335.846 ; 505.933,280.147 v1(505.933,281.099) ; 505.933,337.497 v1(505.933,338.449) ; 506.229,266.138 506.949,266.138 ; 506.229,323.488 506.949,323.488 ; v1(506.251,289.291) 506.251,289.989 ; v1(506.251,346.641) 506.251,347.339 ; 506.953,269.422 506.953,266.143 506.949,266.138 ; 506.953,326.772 506.953,323.493 506.949,323.488 ; 507.425,246.194 507.425,247.865 ; 507.425,303.544 507.425,305.215 ; 507.838,266.138 506.949,266.138 ; 507.838,323.488 506.949,323.488 ; 508.371,284.859 508.371,283.385 508.371,282.725 509.184,281.912 509.918,281.912 ; 508.371,342.209 508.371,340.735 508.371,340.075 509.184,339.262 509.918,339.262 ; 509.807,289.989 510.759,289.989 ; 509.807,347.339 510.759,347.339 ; 510.022,284.859 511.662,284.859 ; 510.022,342.209 511.662,342.209 ; 511.393,289.989 510.759,289.989 ; 511.393,347.339 510.759,347.339 ; 512.918,281.912 514.752,281.912 514.94,281.724 ; 512.918,339.262 514.752,339.262 514.94,339.074 ; 513.106,281.724 513.807,281.724 ; 513.106,339.074 513.807,339.074 ; 513.741,281.089 513.807,281.155 513.807,281.724 ; 513.741,338.439 513.807,338.505 513.807,339.074 ; 514.569,286.624 515.077,286.624 ; 514.569,343.974 515.077,343.974 ; 515.077,281.597 515.077,283.322 515.077,281.587 ; 515.077,284.973 515.077,286.624 ; 515.077,338.947 515.077,340.672 515.077,338.937 ; 515.077,342.323 515.077,343.974 ; 515.991,276.477 515.575,276.893 515.575,278.549 515.575,281.089 515.077,281.587 ; 515.991,333.827 515.575,334.243 515.575,335.899 515.575,338.439 515.077,338.937 ; 516.093,286.624 515.077,286.624 ; 516.093,343.974 515.077,343.974 ; 517.642,276.477 517.642,278.33 517.861,278.549 517.861,281.089 517.861,287.967 517.554,288.275 516.093,288.275 516.093,290.751 515.839,291.005 511.267,291.005 510.759,290.497 510.759,289.989 ; 517.642,333.827 517.642,335.68 517.861,335.899 517.861,338.439 517.861,345.317 517.554,345.625 516.093,345.625 516.093,348.101 515.839,348.355 511.267,348.355 510.759,347.847 510.759,347.339 ; 341.757,281.724 342.89,281.724 ; 341.757,339.074 342.89,339.074 ; 342.89,281.724 343.027,281.587 ; 342.89,339.074 343.027,338.937 ; 399.107,281.724 400.24,281.724 ; 399.107,339.074 400.24,339.074 ; 400.24,281.724 400.377,281.587 ; 400.24,339.074 400.377,338.937 ; 456.457,281.724 457.59,281.724 ; 456.457,339.074 457.59,339.074 ; 457.59,281.724 457.727,281.587 ; 457.59,339.074 457.727,338.937 ; 513.807,281.724 514.94,281.724 ; 513.807,339.074 514.94,339.074 ; 514.94,281.724 515.077,281.587 ; 514.94,339.074 515.077,338.937
  Top Layer w0.5: 340.336,259.147 343.046,259.147 343.916,260.017 343.916,261.432 ; 340.336,316.497 343.046,316.497 343.916,317.367 343.916,318.782 ; 397.686,259.147 400.396,259.147 401.266,260.017 401.266,261.432 ; 397.686,316.497 400.396,316.497 401.266,317.367 401.266,318.782 ; 455.036,259.147 457.746,259.147 458.616,260.017 458.616,261.432 ; 455.036,316.497 457.746,316.497 458.616,317.367 458.616,318.782 ; 512.386,259.147 515.096,259.147 515.966,260.017 515.966,261.432 ; 512.386,316.497 515.096,316.497 515.966,317.367 515.966,318.782
  Top Layer w0.65: 311.023,269.39 314.071,269.39 ; 311.023,326.74 314.071,326.74 ; 320.142,260.067 v1(320.142,261.262) ; 320.142,317.417 v1(320.142,318.612) ; v1(320.91,273.758) 321.164,273.504 322.249,273.504 v1(323.19,273.504) ; v1(320.91,331.108) 321.164,330.854 322.249,330.854 v1(323.19,330.854) ; 322.249,271.853 v1(323.063,271.853) ; 322.249,329.203 v1(323.063,329.203) ; 325.247,269.39 328.549,269.39 ; 325.247,326.74 328.549,326.74 ; 328.828,260.221 328.828,269.111 ; 328.828,263.827 329.159,264.157 329.159,264.487 ; 328.828,264.589 328.93,264.487 331.089,264.487 ; 328.828,317.571 328.828,326.461 ; 328.828,321.177 329.159,321.507 329.159,321.837 ; 328.828,321.939 328.93,321.837 331.089,321.837 ; 331.801,254.277 340.995,254.277 ; 331.801,311.627 340.995,311.627 ; 332.549,289.989 332.603,289.936 332.603,288.221 332.842,287.982 334.949,287.982 ; 332.549,347.339 332.603,347.286 332.603,345.571 332.842,345.332 334.949,345.332 ; 332.603,285.935 332.999,286.331 334.949,286.331 ; 332.603,343.285 332.999,343.681 334.949,343.681 ; 334.903,275.518 334.903,274.241 335.64,273.504 v1(339.979,273.504) ; 334.903,332.868 334.903,331.591 335.64,330.854 v1(339.979,330.854) ; 336.321,283.385 337.795,281.912 337.868,281.912 337.134,281.912 336.321,282.725 336.321,284.859 ; 336.321,340.735 337.795,339.262 337.868,339.262 337.134,339.262 336.321,340.075 336.321,342.209 ; 336.981,271.853 340.995,271.853 ; 336.981,329.203 340.995,329.203 ; 339.343,289.989 337.756,289.989 338.709,289.989 338.709,291.005 338.963,291.259 343.535,291.259 344.043,290.751 344.043,288.275 345.503,288.275 345.811,287.967 345.811,281.089 345.592,280.87 345.592,276.477 ; 339.343,347.339 337.756,347.339 338.709,347.339 338.709,348.355 338.963,348.609 343.535,348.609 344.043,348.101 344.043,345.625 345.503,345.625 345.811,345.317 345.811,338.439 345.592,338.22 345.592,333.827 ; 340.233,254.277 340.995,255.039 ; 340.233,311.627 340.995,312.389 ; 340.487,254.277 340.995,253.769 ; 340.487,311.627 340.995,311.119 ; 340.868,281.912 341.696,281.912 342.519,281.089 ; 340.868,339.262 341.696,339.262 342.519,338.439 ; v1(340.995,251.889) v1(340.995,256.207) ; v1(340.995,267.432) 345.948,267.432 ; v1(340.995,309.239) v1(340.995,313.557) ; v1(340.995,324.782) 345.948,324.782 ; 341.691,281.089 342.519,281.089 ; 341.691,338.439 342.519,338.439 ; v1(342.519,268.907) v1(342.519,270.177) ; v1(342.519,269.432) 345.948,269.432 ; v1(342.519,326.257) v1(342.519,327.527) ; v1(342.519,326.782) 345.948,326.782 ; 342.702,281.912 343.285,281.329 ; 342.702,339.262 343.285,338.679 ; 343.525,278.549 343.941,278.133 343.941,276.477 ; 343.525,281.089 342.519,281.089 ; 343.525,335.899 343.941,335.483 343.941,333.827 ; 343.525,338.439 342.519,338.439 ; 368.373,269.39 371.421,269.39 ; 368.373,326.74 371.421,326.74 ; 377.492,260.067 v1(377.492,261.262) ; 377.492,317.417 v1(377.492,318.612) ; v1(378.26,273.758) 378.514,273.504 379.599,273.504 v1(380.54,273.504) ; v1(378.26,331.108) 378.514,330.854 379.599,330.854 v1(380.54,330.854) ; 379.599,271.853 v1(380.413,271.853) ; 379.599,329.203 v1(380.413,329.203) ; 382.597,269.39 385.899,269.39 ; 382.597,326.74 385.899,326.74 ; 386.178,260.221 386.178,269.111 ; 386.178,263.827 386.509,264.157 386.509,264.487 ; 386.178,264.589 386.28,264.487 388.439,264.487 ; 386.178,317.571 386.178,326.461 ; 386.178,321.177 386.509,321.507 386.509,321.837 ; 386.178,321.939 386.28,321.837 388.439,321.837 ; 389.151,254.277 398.345,254.277 ; 389.151,311.627 398.345,311.627 ; 389.899,289.989 389.953,289.936 389.953,288.221 390.192,287.982 392.299,287.982 ; 389.899,347.339 389.953,347.286 389.953,345.571 390.192,345.332 392.299,345.332 ; 389.953,285.935 390.349,286.331 392.299,286.331 ; 389.953,343.285 390.349,343.681 392.299,343.681 ; 392.253,275.518 392.253,274.241 392.99,273.504 v1(397.329,273.504) ; 392.253,332.868 392.253,331.591 392.99,330.854 v1(397.329,330.854) ; 393.671,283.385 395.145,281.912 395.218,281.912 394.484,281.912 393.671,282.725 393.671,284.859 ; 393.671,340.735 395.145,339.262 395.218,339.262 394.484,339.262 393.671,340.075 393.671,342.209 ; 394.331,271.853 398.345,271.853 ; 394.331,329.203 398.345,329.203 ; 396.693,289.989 395.106,289.989 396.059,289.989 396.059,291.005 396.313,291.259 400.885,291.259 401.393,290.751 401.393,288.275 402.853,288.275 403.161,287.967 403.161,281.089 402.942,280.87 402.942,276.477 ; 396.693,347.339 395.106,347.339 396.059,347.339 396.059,348.355 396.313,348.609 400.885,348.609 401.393,348.101 401.393,345.625 402.853,345.625 403.161,345.317 403.161,338.439 402.942,338.22 402.942,333.827 ; 397.583,254.277 398.345,255.039 ; 397.583,311.627 398.345,312.389 ; 397.837,254.277 398.345,253.769 ; 397.837,311.627 398.345,311.119 ; 398.218,281.912 399.046,281.912 399.869,281.089 ; 398.218,339.262 399.046,339.262 399.869,338.439 ; v1(398.345,251.889) v1(398.345,256.207) ; v1(398.345,267.432) 403.298,267.432 ; v1(398.345,309.239) v1(398.345,313.557) ; v1(398.345,324.782) 403.298,324.782 ; 399.041,281.089 399.869,281.089 ; 399.041,338.439 399.869,338.439 ; v1(399.869,268.907) v1(399.869,270.177) ; v1(399.869,269.432) 403.298,269.432 ; v1(399.869,326.257) v1(399.869,327.527) ; v1(399.869,326.782) 403.298,326.782 ; 400.052,281.912 400.635,281.329 ; 400.052,339.262 400.635,338.679 ; 400.875,278.549 401.291,278.133 401.291,276.477 ; 400.875,281.089 399.869,281.089 ; 400.875,335.899 401.291,335.483 401.291,333.827 ; 400.875,338.439 399.869,338.439 ; 425.723,269.39 428.771,269.39 ; 425.723,326.74 428.771,326.74 ; 434.842,260.067 v1(434.842,261.262) ; 434.842,317.417 v1(434.842,318.612) ; v1(435.61,273.758) 435.864,273.504 436.949,273.504 v1(437.89,273.504) ; v1(435.61,331.108) 435.864,330.854 436.949,330.854 v1(437.89,330.854) ; 436.949,271.853 v1(437.763,271.853) ; 436.949,329.203 v1(437.763,329.203) ; 439.947,269.39 443.249,269.39 ; 439.947,326.74 443.249,326.74 ; 443.528,260.221 443.528,269.111 ; 443.528,263.827 443.859,264.157 443.859,264.487 ; 443.528,264.589 443.63,264.487 445.789,264.487 ; 443.528,317.571 443.528,326.461 ; 443.528,321.177 443.859,321.507 443.859,321.837 ; 443.528,321.939 443.63,321.837 445.789,321.837 ; 446.501,254.277 455.695,254.277 ; 446.501,311.627 455.695,311.627 ; 447.249,289.989 447.303,289.936 447.303,288.221 447.542,287.982 449.649,287.982 ; 447.249,347.339 447.303,347.286 447.303,345.571 447.542,345.332 449.649,345.332 ; 447.303,285.935 447.699,286.331 449.649,286.331 ; 447.303,343.285 447.699,343.681 449.649,343.681 ; 449.603,275.518 449.603,274.241 450.34,273.504 v1(454.679,273.504) ; 449.603,332.868 449.603,331.591 450.34,330.854 v1(454.679,330.854) ; 451.021,283.385 452.495,281.912 452.568,281.912 451.834,281.912 451.021,282.725 451.021,284.859 ; 451.021,340.735 452.495,339.262 452.568,339.262 451.834,339.262 451.021,340.075 451.021,342.209 ; 451.681,271.853 455.695,271.853 ; 451.681,329.203 455.695,329.203 ; 454.043,289.989 452.456,289.989 453.409,289.989 453.409,291.005 453.663,291.259 458.235,291.259 458.743,290.751 458.743,288.275 460.203,288.275 460.511,287.967 460.511,281.089 460.292,280.87 460.292,276.477 ; 454.043,347.339 452.456,347.339 453.409,347.339 453.409,348.355 453.663,348.609 458.235,348.609 458.743,348.101 458.743,345.625 460.203,345.625 460.511,345.317 460.511,338.439 460.292,338.22 460.292,333.827 ; 454.933,254.277 455.695,255.039 ; 454.933,311.627 455.695,312.389 ; 455.187,254.277 455.695,253.769 ; 455.187,311.627 455.695,311.119 ; 455.568,281.912 456.396,281.912 457.219,281.089 ; 455.568,339.262 456.396,339.262 457.219,338.439 ; v1(455.695,251.889) v1(455.695,256.207) ; v1(455.695,267.432) 460.648,267.432 ; v1(455.695,309.239) v1(455.695,313.557) ; v1(455.695,324.782) 460.648,324.782 ; 456.391,281.089 457.219,281.089 ; 456.391,338.439 457.219,338.439 ; v1(457.219,268.907) v1(457.219,270.177) ; v1(457.219,269.432) 460.648,269.432 ; v1(457.219,326.257) v1(457.219,327.527) ; v1(457.219,326.782) 460.648,326.782 ; 457.402,281.912 457.985,281.329 ; 457.402,339.262 457.985,338.679 ; 458.225,278.549 458.641,278.133 458.641,276.477 ; 458.225,281.089 457.219,281.089 ; 458.225,335.899 458.641,335.483 458.641,333.827 ; 458.225,338.439 457.219,338.439 ; 483.073,269.39 486.121,269.39 ; 483.073,326.74 486.121,326.74 ; 492.192,260.067 v1(492.192,261.262) ; 492.192,317.417 v1(492.192,318.612) ; v1(492.96,273.758) 493.214,273.504 494.299,273.504 v1(495.24,273.504) ; v1(492.96,331.108) 493.214,330.854 494.299,330.854 v1(495.24,330.854) ; 494.299,271.853 v1(495.113,271.853) ; 494.299,329.203 v1(495.113,329.203) ; 497.297,269.39 500.599,269.39 ; 497.297,326.74 500.599,326.74 ; 500.878,260.221 500.878,269.111 ; 500.878,263.827 501.209,264.157 501.209,264.487 ; 500.878,264.589 500.98,264.487 503.139,264.487 ; 500.878,317.571 500.878,326.461 ; 500.878,321.177 501.209,321.507 501.209,321.837 ; 500.878,321.939 500.98,321.837 503.139,321.837 ; 503.851,254.277 513.045,254.277 ; 503.851,311.627 513.045,311.627 ; 504.6,289.989 504.653,289.936 504.653,288.221 504.892,287.982 506.999,287.982 ; 504.6,347.339 504.653,347.286 504.653,345.571 504.892,345.332 506.999,345.332 ; 504.653,285.935 505.049,286.331 506.999,286.331 ; 504.653,343.285 505.049,343.681 506.999,343.681 ; 506.953,275.518 506.953,274.241 507.69,273.504 v1(512.029,273.504) ; 506.953,332.868 506.953,331.591 507.69,330.854 v1(512.029,330.854) ; 508.371,283.385 509.845,281.912 509.918,281.912 509.184,281.912 508.371,282.725 508.371,284.859 ; 508.371,340.735 509.845,339.262 509.918,339.262 509.184,339.262 508.371,340.075 508.371,342.209 ; 509.031,271.853 513.045,271.853 ; 509.031,329.203 513.045,329.203 ; 511.393,289.989 509.807,289.989 510.759,289.989 510.759,291.005 511.013,291.259 515.585,291.259 516.093,290.751 516.093,288.275 517.554,288.275 517.861,287.967 517.861,281.089 517.642,280.87 517.642,276.477 ; 511.393,347.339 509.807,347.339 510.759,347.339 510.759,348.355 511.013,348.609 515.585,348.609 516.093,348.101 516.093,345.625 517.554,345.625 517.861,345.317 517.861,338.439 517.642,338.22 517.642,333.827 ; 512.283,254.277 513.045,255.039 ; 512.283,311.627 513.045,312.389 ; 512.537,254.277 513.045,253.769 ; 512.537,311.627 513.045,311.119 ; 512.918,281.912 513.746,281.912 514.569,281.089 ; 512.918,339.262 513.746,339.262 514.569,338.439 ; v1(513.045,251.889) v1(513.045,256.207) ; v1(513.045,267.432) 517.998,267.432 ; v1(513.045,309.239) v1(513.045,313.557) ; v1(513.045,324.782) 517.998,324.782 ; 513.741,281.089 514.569,281.089 ; 513.741,338.439 514.569,338.439 ; v1(514.569,268.907) v1(514.569,270.177) ; v1(514.569,269.432) 517.998,269.432 ; v1(514.569,326.257) v1(514.569,327.527) ; v1(514.569,326.782) 517.998,326.782 ; 514.752,281.912 515.335,281.329 ; 514.752,339.262 515.335,338.679 ; 515.575,278.549 515.991,278.133 515.991,276.477 ; 515.575,281.089 514.569,281.089 ; 515.575,335.899 515.991,335.483 515.991,333.827 ; 515.575,338.439 514.569,338.439
  Top Layer w0.8: 318.026,283.744 318.026,285.744 ; 318.026,341.094 318.026,343.094 ; 375.376,283.744 375.376,285.744 ; 375.376,341.094 375.376,343.094 ; 432.726,283.744 432.726,285.744 ; 432.726,341.094 432.726,343.094 ; 490.076,283.744 490.076,285.744 ; 490.076,341.094 490.076,343.094